# Altium PCB DIO-SMA.PCBDOC (part 2 of 2)
Units mil, origin at the board's own origin, x right, y up, seen from the top; angles counter-clockwise.
Board outline 2535.43 x 3937 mil, 4 copper layers (Top, MP(G), L3, Bot), stack 63.153 mil thick; 200 components, 123 nets, 682 pads, 394 vias.
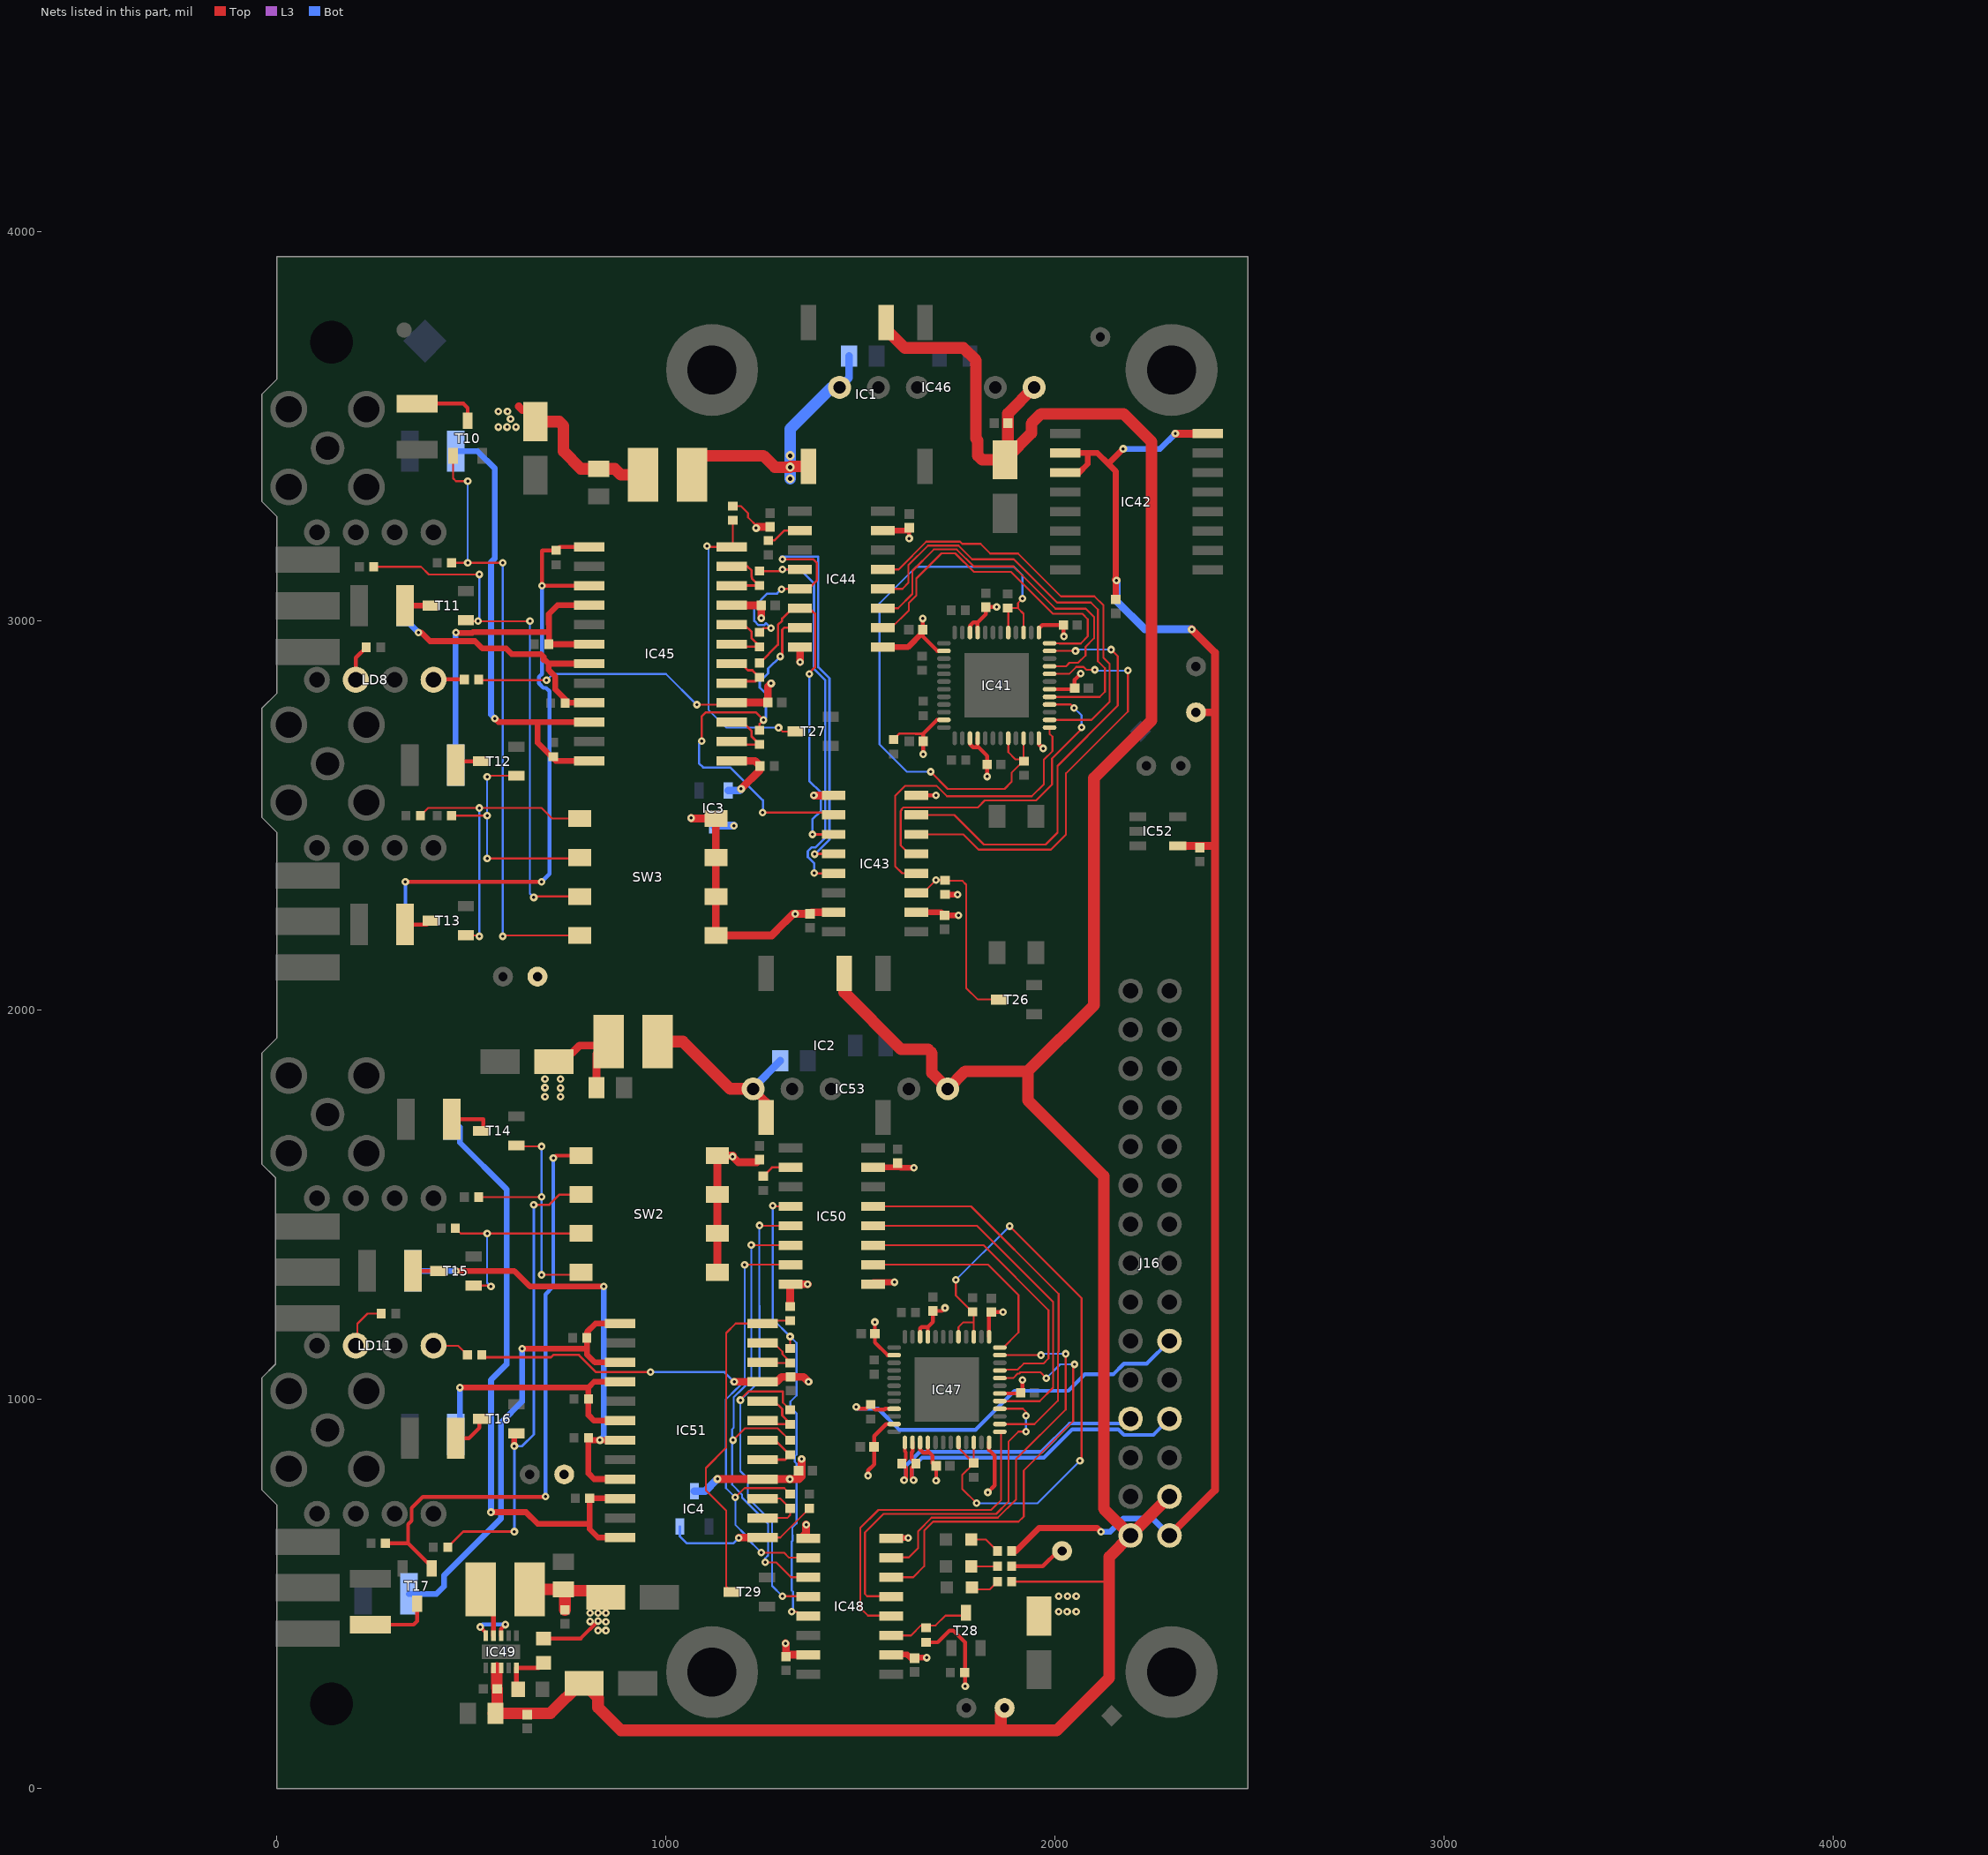
[diagram p4: the nets of this part, all layers, seen from the top]

## Via types
v1: diameter 19.68, hole 7.87, Top to Bot, tented both sides, 372 vias
v2: diameter 23.62, hole 11.81, Top to Bot, tented both sides, 21 vias
v3: diameter 19.68, hole 7.87, Top to Bot, 1 vias

## Nets (pads, with @x,y where several pads share a name; then routed paths per layer and width w, separated by ;. In a path a pad name is that pad's centre, name@x,y a point inside that pad or via, vN(x,y) a via of type N, cw(c..) or ccw(c..) an arc to the next point about the centre after c; other vN are vias at no path point) (continued)
LVDS6_P: IC47.9 J16.20 R230.1 | length 1034.8
  Top w10: v1(1489,980.84) 1493.84,976 1514,976 1524.5,986.5 1537.56,973.44 1561.11,973.44 1563.46,975.79 IC47.9@1586.17,975.79
  Bot w10: v1(1489,980.84) 1489,979 1492,976 1545.21,976 1599.21,922 1795.79,922 1895.79,1022 2034,1022 2076,1064 2149.32,1064 2176.81,1091.5 2235.5,1091.5 J16.20@2294,1150
LVDS7_N: IC47.14 J16.24 R234.2 | length 871.5
  Top w10: IC47.14@1633.42,889.17 1633.42,866.46 1631.07,864.11 1631.07,846.43 R234.2@1642.5,835 1631.5,824 1631.5,794 1633.5,792 v1(1636.34,792)
  Bot w10: v1(1636.34,792) 1631.5,796.84 1631.5,823.5 1658,850 1971,850 2044,923 2162.32,923 2176.81,908.51 2252.51,908.51 J16.24@2294,950
LVDS7_P: IC47.13 J16.23 R234.1 | length 777.8
  Top w10: v1(1611.66,792) 1614.5,792 1616.5,794 1616.5,824 R234.1@1605.5,835 1616.07,845.58 1616.07,864.11 1613.73,866.46 IC47.13@1613.73,889.17
  Bot w10: v1(1611.66,792) 1616.5,796.84 1616.5,829.71 1651.79,865 1964.79,865 2037.79,938 2182,938 J16.23@2194,950
NetC1_2: C1.2 C2.2 IC1.8 IC46.6 | length 746
  Top w30: C1.2@1066.93,3375.98 1066.93,3417.32 1074.8,3425.2 1250,3425.2 1279.53,3395.67 v2(1318.9,3395.67) 1320.87,3397.64 IC1.8@1365.75,3397.64
  Bot w20: IC46.6@1446,3601 1470.47,3625.47 C2.2@1470.47,3681.1
  Bot w30: v2(1318.9,3366.14) v2(1318.9,3395.67) v2(1318.9,3425.2) 1318.9,3494.09 1425.8,3601 IC46.6@1446,3601
NetC4_2: C4.2 C6.2 IC2.8 IC53.6 | length 484.1
  Top w20: IC53.6@1224,1798 1257.48,1764.52 IC2.8@1257.48,1724.41
  Top w30: C4.2@978.35,1919.29 1043.31,1919.29 1164.6,1798 IC53.6@1224,1798
  Bot w20: IC53.6@1224,1798 1224,1800.77 C6.2@1293.31,1870.08
NetIC3_2: IC3.2 IC45.13 R12.2 | length 192.3
  Top w20: IC45.13@1168.59,2640.84 1228.45,2640.84 R12.2@1241.34,2627.95 1241.34,2617.32 v1(1192.91,2568.9)
  Bot w20: IC3.2@1159.45,2564.96 1188.98,2564.96 v1(1192.91,2568.9)
NetIC4_2: IC4.2 IC51.13 R19.2 | length 402.8
  Top w5: IC51.13@1248.07,645 1293.43,645 R19.2@1368.11,719.69
  Top w20: v1(1187,644) 1188,645 IC51.13@1248.07,645
  Bot w6: IC4.2@1035.43,673.23 1035.43,647.64 1053.15,629.92 1172.92,629.92 v1(1187,644)
NetIC41_20: IC41.20 IC41.22 IC41.39 IC41.41 R198.1 R212.1 | length 1630.9
  Top w5: v1(1680,2613) 1724,2569 1870,2569 1888,2587 1888,2610 1918.5,2640.5 R212.1@1918.9,2640.5 ; IC41.20@1879.53,2699.17 1879.53,2663.47 1898,2645 1914.4,2645 R212.1@1918.9,2640.5 ; IC41.41@1879.53,2970.83 1879.53,3031.97 R198.1@1878,3033.5 1904.5,3033.5 ; v1(1916,3058) 1904.5,3046.5 1904.5,3033.5 ; IC41.22@1918.9,2699.17 R212.1@1918.9,2640.5 ; IC41.39@1918.9,2970.83 1918.9,3019.1 1904.5,3033.5 ; R212.1@1920,2640.5 R212.1@1918.9,2640.5
  Bot w5: v1(1680,2613) 1619,2613 1548.66,2683.34 1548.66,3045.66 1643,3140 1728.47,3140 1728.82,3139.66 1743.18,3139.66 1743.53,3140 1894,3140 1916,3118 v1(1916,3058)
NetIC41_25: IC41.25 IC43.12 | length 818.4
  Top w5: IC43.12@1643.3,2352 1607,2352 1589,2370 1589,2551 1615,2577 1618.47,2577 1618.82,2576.66 1633.18,2576.66 1633.53,2577 1695,2577 1722,2550 1940,2550 1971,2581 1971,2644 1993,2666 1993,2703 1985.83,2710.17 IC41.25@1985.83,2726.73 IC41.25@1986.34,2726.22
NetIC41_26: IC41.26 IC44.5 | length 1092.4
  Top w5: IC44.5@1556.87,3133.15 1597.72,3133.15 1668.91,3204.34 1755.61,3204.34 1761.13,3198.82 1808.18,3198.82 1833,3174 1905,3174 2015,3064 2101,3064 2124,3041 2124,2906 2140,2890 2140,2793 2093.42,2746.42 IC41.26@1985.83,2746.42
NetIC41_28: IC41.28 IC43.13 | length 859.5
  Top w5: IC43.13@1643.3,2402 1624.6,2402 1603,2423.6 1603,2512 1605.29,2514.29 1605.29,2516.92 1609.68,2521.31 1801.18,2521.31 1819.24,2539.37 1951.37,2539.37 1992,2580 1992,2647 2068,2723 v1(2068,2727) ; IC41.28@1985.83,2785.79 2040.21,2785.79 v1(2049,2777)
  Bot w5: v1(2049,2777) 2068,2758 v1(2068,2727)
NetIC41_29: IC41.29 IC44.4 | length 1060.3
  Top w5: IC44.4@1556.87,3083.15 1607.57,3083.15 1623.08,3098.65 1623.08,3144.37 1673.05,3194.34 1751.47,3194.34 1786.81,3159 1894,3159 2005,3048 2092,3048 2110,3030 2110,2897 2128,2879 2128,2819 2114.47,2805.47 IC41.29@1985.83,2805.47
NetIC41_32: IC41.32 IC43.14 | length 1116.3
  Top w5: IC43.14@1643.3,2452 1764,2452 1803,2413 1989,2413 2028,2452 2028,2609 2187,2768 v1(2187,2873) ; IC41.32@1985.83,2864.53 2036.53,2864.53 2054.34,2882.34 2073.18,2882.34 2080.53,2875 v1(2102,2875)
  Bot w5: v1(2102,2875) 2104,2873 v1(2187,2873)
NetIC41_33: IC41.33 IC44.3 | length 923.9
  Top w5: IC44.3@1556.87,3033.15 1596.14,3033.15 1633.08,3070.09 1633.08,3129.14 1688.28,3184.34 1747.33,3184.34 1790.67,3141 1892,3141 2001,3032 2079,3032 2100,3011 2100,2956 2078,2934 2078,2912 2059,2893 2037,2893 2028.21,2884.21 IC41.33@1985.83,2884.21
NetIC41_35: IC41.35 IC43.15 | length 1108.2
  Top w5: IC43.15@1643.3,2502 1741,2502 1817,2426 1975.59,2426 2006,2456.41 2006,2628 2161,2783 2161,2910 v1(2144,2927) ; IC41.35@1985.83,2923.58 v1(2052.58,2923.58)
  Bot w5: v1(2052.58,2923.58) 2056,2927 v1(2144,2927)
NetIC41_36: IC41.36 IC44.2 | length 867.5
  Top w5: IC44.2@1559.87,2980.15 IC44.2@1556.87,2983.15 1579.39,2983.15 1624.02,3027.77 1624.02,3046.88 1643.08,3065.94 1643.08,3109.61 1707.81,3174.34 1743.18,3174.34 1790.53,3127 1886,3127 1994,3019 2070,3019 2084,3005 2084,2961 2065.66,2942.66 2010.61,2942.66 2010,2943.27 IC41.36@1985.83,2943.27
NetIC43_2: IC43.2 IC44.15 R29.2 | length 1059
  Top w6: v1(1091.52,2691.84) 1091.52,2754.91 1102.36,2765.75 1230.62,2765.75 v1(1250.53,2745.84) 1240.16,2735.47 R29.2@1240.16,2719.98 ; v1(1248,2508) 1424.7,2508 IC43.2@1430.7,2502 ; v1(1293.57,2909.15) 1298.53,2914.1 1298.53,2978.1 1303.57,2983.15 IC44.15@1344.28,2983.15
  Bot w6: v1(1091.52,2691.84) 1084.68,2685 1084.68,2634.45 1095.13,2624 1164.37,2624 1249,2539.37 1249,2509 v1(1248,2508) ; v1(1250.53,2745.84) 1256.53,2751.84 1256.53,2813.61 1240.69,2829.45 1240.69,2844.23 1262.37,2865.92 1262.37,2877.94 v1(1293.57,2909.15)
NetIC43_3: IC43.3 IC44.14 R6.2 | length 893.7
  Top w6: R6.2@1240.16,2892.52 1240.94,2892.52 1287.53,2939.1 1287.53,2990.18 1298.09,3000.74 1298.09,3006.96 1324.28,3033.15 IC44.14@1344.28,3033.15 1368.66,3033.15 1382.79,3019.02 1382.79,2881.79 1368.11,2867.11 v1(1368.11,2864.17) ; v1(1376,2452) IC43.3@1430.7,2452
  L3 w6: v1@1365.1,2861.16 v1(1368.11,2864.17)
  Bot w6: v1(1368.11,2864.17) 1368.11,2589.13 1397.84,2559.39 1397.84,2512 1376,2490.16 v1(1376,2452)
NetIC43_4: IC43.4 IC44.13 R7.2 | length 1402.6
  Top w6: R7.2@1240.16,2971.26 1251.18,2982.28 v1(1269.69,2982.28) ; v1(1296.57,3082.15) 1297.57,3083.15 IC44.13@1344.28,3083.15 1366.04,3083.15 1387.8,3104.91 1387.8,3149.61 1377.95,3159.45 v1(1299.21,3159.44) ; v1(1382,2401) 1383,2402 IC43.4@1430.7,2402
  Bot w6: v1(1269.69,2982.28) 1256.94,2995.03 1251.92,2990 1237.14,2990 1226.69,3000.45 1226.69,3037.71 1259.84,3070.87 1285.29,3070.87 v1(1296.57,3082.15) v1@1300.42,3078.31 ; v1(1299.21,3159.44) 1299.21,3162.57 1295.85,3165.93 1391.16,3165.93 1391.16,2881.91 1419.84,2853.22 1419.84,2438.84 v1(1382,2401)
NetIC43_5: IC43.5 IC44.12 R9.2 | length 1039.2
  Top w6: R9.2@1240.16,3128.74 1294.8,3128.74 v1(1299.21,3133.15) IC44.12@1344.28,3133.15 ; v1(1381,2353) 1382,2352 IC43.5@1430.7,2352
  Bot w6: v1(1299.21,3133.15) 1344.28,3133.15 1380.16,3097.27 1380.16,2877.35 1408.84,2848.67 1408.84,2443.4 1384.29,2418.84 1374.61,2418.84 1364.16,2408.39 1364.16,2393.61 1381,2376.77 v1(1381,2353)
NetIC43_11: IC43.11 R196.1 T26.3 | length 516.9
  Top w5: IC43.11@1643.3,2302 1661,2302 v1(1693.5,2334.5) R196.1@1717,2334.5 1718.83,2332.68 1761.81,2332.68 1771.65,2322.83 1771.65,2057.09 1801.18,2027.56 T26.3@1855.72,2027.56
  Bot w5: v1@1687.74,2328.74 v1(1693.5,2334.5)
NetIC44_10: IC44.10 R17.2 | length 92.2
  Top w6: R17.2@1262.75,3207.48 1278.35,3207.48 1304.02,3233.15 IC44.10@1344.28,3233.15
NetIC45_1: IC45.1 IC45.3 R10.2 R209.2 | length 1585
  Top w10: v1(330,2330) v1(680,2330) ; IC45.3@802.45,3090.84 v1(680.84,3090.84) 680.84,3180.84 681.85,3181.85 R209.2@717.52,3181.85 726.51,3190.84 IC45.1@802.45,3190.84
  Bot w10: R10.2@329.06,2220.32 330,2221.26 v1(330,2330) ; v1(680,2330) 700.21,2350.21 700.21,2819.79 691.42,2828.58 684.69,2828.58 673.07,2840.21 673.07,2856.64 680.84,2864.42 v1(680.84,3090.84)
NetIC45_4: IC45.4 IC45.6 R8.2 R206.2 | length 878.6
  Top w15: v1(460,2971.1) 461.1,2970 501.72,2970 504.06,2972.34 697.17,2972.34 699.51,2970 ; IC45.6@802.45,2940.84 R206.2@698.52,2940.84 699.51,2941.83 699.51,2970 ; IC45.4@802.45,3040.84 720.84,3040.84 698.52,3018.52 698.52,2992.53 699.51,2991.54 699.51,2970
  Bot w15: R8.2@459.06,2630 v1@459.06,2971.1
NetIC45_7: IC45.7 IC45.9 R5.2 R203.2 | length 734.4
  Top w15: v1(363.23,2971.1) 370.49,2971.1 392.84,2948.76 508.76,2948.76 527.52,2930 588.5,2930 602.95,2915.55 677.61,2915.55 684.93,2908.22 684.93,2900.92 687.95,2900.92 698.02,2890.84 ; IC45.9@802.45,2790.84 749.16,2790.84 715.26,2824.74 715.26,2857.68 702.17,2870.77 701.96,2870.77 698.02,2874.71 698.02,2890.84 ; IC45.7@802.45,2890.84 698.02,2890.84
  Bot w15: R5.2@329.06,3040 329.06,3005.28 v1(363.23,2971.1)
NetIC45_10: IC45.10 IC45.12 R4.2 R200.2 | length 1221.5
  Top w15: v1(560,2750) 569.16,2740.84 670,2740.84 ; IC45.12@802.45,2640.84 716.36,2640.84 670,2687.2 670,2740.84 ; IC45.10@802.45,2740.84 670,2740.84
  Bot w15: R4.2@459.06,3437.01 515.12,3437.01 560,3392.13 560,3161.6 550,3151.6 550,2760 v1(560,2750)
NetIC45_14: IC45.14 IC45.15 R29.1 | length 178.5
  Top w6: IC45.14@1168.59,2690.84 1176.46,2682.97 R29.1@1240.16,2682.97 1219.95,2703.17 1219.95,2717.06 1196.17,2740.84 IC45.15@1168.59,2740.84
NetIC45_17: IC45.17 IC45.18 R6.1 | length 163.8
  Top w6: IC45.17@1168.59,2840.84 1173.42,2845.67 1230.31,2845.67 R6.1@1240.16,2855.51 1221.65,2874.02 1210.63,2874.02 1193.8,2890.84 IC45.18@1168.59,2890.84
NetIC45_19: IC45.19 IC45.20 R7.1 | length 179.7
  Top w6: IC45.19@1168.59,2940.84 1175.18,2934.25 R7.1@1240.16,2934.25 1240.16,2935.8 1219.95,2956.01 1219.95,2972.26 1201.37,2990.84 IC45.20@1168.59,2990.84
NetIC45_22: IC45.22 IC45.23 R9.1 | length 171.9
  Top w6: IC45.23@1168.59,3140.84 1209.03,3140.84 1219.95,3129.92 1219.95,3113.49 1220.47,3112.97 1220.47,3110.24 R9.1@1238.98,3091.73 ; IC45.22@1176.37,3083.06 1180.59,3087.29 1180.59,3091.73 R9.1@1238.98,3091.73 ; R9.1@1240.16,3091.73 R9.1@1238.98,3091.73
NetIC45_24: IC45.24 R210.1 T27.3 | length 802
  Top w5: v1(1105.52,3192.84) 1107.52,3190.84 IC45.24@1168.59,3190.84 1171.26,3193.51 R210.1@1171.26,3259.06 ; v1(1289.37,2726.38) 1299.21,2716.54 T27.3@1332.68,2716.54
  Bot w5: v1(1105.52,3192.84) 1108.86,3189.5 1108.86,2772.33 1154.81,2726.38 v1(1289.37,2726.38)
NetIC47_20: IC47.20 IC47.22 IC47.39 IC47.41 R221.1 R235.1 | length 1673.6
  Top w5: v1(1745,1307) 1745,1267 1787.5,1224.5 R235.1@1788,1224.5 1790.9,1221.6 1790.9,1198 ; IC47.20@1751.53,889.17 1751.53,875.47 1790.9,836.1 IC47.22@1790.9,889.17 ; IC47.41@1751.53,1160.83 1751.53,1185.53 1764,1198 1790.9,1198 ; R221.1@1790,834.5 1761,805.5 1761,770 v1(1798,733) ; IC47.39@1790.9,1160.83 1790.9,1198 ; v1(1883,1445) 2068,1260 2068,846 v1(2064,842)
  Bot w5: v1(1745,1307) v1(1883,1445) ; v1(1798,733) 1955,733 v1(2064,842)
NetIC47_25: IC47.25 IC48.12 | length 843.7
  Top w5: IC48.12@1560.3,444 1519,444 1499,464 1499,669 1545.66,715.66 1835.66,715.66 1861.34,741.34 1861.34,913.22 IC47.25@1857.83,916.73
NetIC47_26: IC47.26 IC50.5 | length 1019.3
  Top w5: IC50.5@1532.3,1496 1784,1496 2009,1271 2009,1122.69 2007.07,1120.77 2007.07,996.55 1946.94,936.42 IC47.26@1857.83,936.42
NetIC47_28: IC47.28 IC48.13 | length 942.6
  Top w5: IC48.13@1560.3,494 1517,494 1511,500 1511,658 1558.66,705.66 1848.66,705.66 1880,737 1880,891 1906,917 v1(1925,917) ; IC47.28@1857.83,975.79 1917,975.79 1925,967.79 v1(1925,958)
  Bot w5: v1(1925,917) v1(1925,958)
NetIC47_29: IC47.29 IC50.4 | length 915.3
  Top w5: IC50.4@1532.3,1446 1799,1446 1994.87,1250.13 1994.87,1029.87 1960.47,995.47 IC47.29@1857.83,995.47
NetIC47_32: IC47.32 IC48.14 | length 1142
  Top w5: IC48.14@1560.3,544 IC48.14@1578.3,544 ; IC48.14@1578.3,543 1635.52,543 1663.39,570.87 1663.39,662.65 1686.39,685.66 1906.13,685.66 1919.29,698.82 1919.29,816.93 2046.66,944.3 2046.66,1086.66 v1(2050,1090) ; IC47.32@1857.83,1054.53 1892,1054.53 1903.82,1066.34 1907.82,1066.34 1911.1,1069.63 1962.43,1069.63 v1(1977.53,1054.53)
  Bot w5: v1(1977.53,1054.53) 2013,1090 v1(2050,1090)
NetIC47_33: IC47.33 IC50.3 | length 781.8
  Top w5: IC50.3@1532.3,1396 1816,1396 1983,1229 1983,1105 1970,1092 1919.33,1092 1903.67,1076.34 1859.96,1076.34 IC47.33@1857.83,1074.21
NetIC47_35: IC47.35 IC48.15 | length 1024.1
  Top w5: IC48.15@1560.3,594 1624.02,594 1648.11,618.09 1648.11,661.52 1682.25,695.66 1852.8,695.66 1899.61,742.46 1899.61,846.46 2027,973.85 v1(2027,1117) ; IC47.35@1857.83,1113.58 v1(1963.58,1113.58)
  Bot w5: v1(1963.58,1113.58) 1967,1117 v1(2027,1117)
NetIC47_36: IC47.36 IC50.2 | length 558.6
  Top w5: IC50.2@1532.3,1346 1828,1346 1906,1268 1906,1172 IC47.36@1866,1132
NetIC48_2: IC48.2 IC50.15 R14.2 | length 1198.6
  Top w5: v1(1178,748) 1201.83,771.83 1303.76,771.83 R14.2@1318.9,756.69 ; v1(1202,1346) IC50.15@1319.7,1346 ; v1(1245,606) 1303,606 1316,593 IC48.2@1365.7,593
  Bot w5: v1(1202,1346) 1202,1047.25 1182.25,1027.5 1181.83,1027.5 1154,999.67 1154,772 v1(1178,748) 1178,677.53 1204.34,651.18 1204.34,646.66 v1(1245,606)
NetIC48_3: IC48.3 IC50.14 R15.2 | length 1278.1
  Top w5: v1(1172,895) 1202.2,925.2 1287.4,925.2 1318.11,894.49 R15.2@1318.9,894.49 ; v1(1219,1397) 1220,1396 IC50.14@1319.7,1396 ; v1(1255,581) 1283,581 1321,543 IC48.3@1365.7,543
  Bot w5: v1(1219,1397) 1219.34,1396.66 1219.34,1050.45 1186.39,1017.5 1185.97,1017.5 1173.66,1005.18 1173.66,927 1169.66,923 1169.66,780.87 1195.34,755.18 1195.34,747.66 1262.34,680.66 1262.34,598.82 1255,591.47 v1(1255,581)
NetIC48_4: IC48.4 IC50.13 R16.2 | length 1339.7
  Top w5: v1(1191,998) 1191,999.72 1211.28,1020 1300.3,1020 1300.3,991.83 R16.2@1318.9,973.23 ; v1(1240,1447) 1241,1446 IC50.13@1319.7,1446 ; v1(1299,494) 1364.7,494 IC48.4@1365.7,493
  Bot w5: v1(1240,1447) 1239.31,1446.31 1239.31,1240.85 1240,1240.16 1240,1047 v1(1191,998) 1191,815.53 1210,796.53 1210,747.14 1272.34,684.8 1272.34,520.66 v1(1299,494)
NetIC48_5: IC48.5 IC50.12 R21.2 | length 1218.6
  Top w5: v1(1274,1498) 1276,1496 IC50.12@1319.7,1496 ; R21.2@1318.9,1130.71 v1(1318.9,1161.42) ; v1(1323,454) 1337,454 1348,443 IC48.5@1365.7,443
  Bot w5: v1(1274,1498) 1274,1206.31 v1(1318.9,1161.42) 1335.34,1144.97 1335.34,1009.87 1319.66,994.18 1319.66,979.82 1335.34,964.13 1335.34,857.9 1331.08,853.64 1331.08,839.27 1335.34,835.01 1335.34,681.3 1324.94,670.89 1324.94,651.58 1325.34,651.18 1325.34,636.82 1323,634.47 1323,508.67 1326.34,505.33 1326.34,457.34 v1(1323,454)
NetIC48_11: IC48.11 R218.1 T28.3 | length 239.9
  Top w5: IC48.11@1560.3,394 IC48.11@1578.3,394 ; IC48.11@1578.3,393 1629.5,393 1655.42,418.91 1692.91,418.91 1718.28,444.28 1774,444.28 T28.3@1770.5,447.77
NetIC49_5: IC49.5 R231.1 R237.2 | length 131.3
  Top w12: R237.2@619.5,255 615.37,259.13 IC49.5@615.37,309.66 672.16,309.66 R231.1@685,322.5
NetIC49_9: IC49.9 L17.1 | length 57.7
  Top w13: IC49.9@556.31,392.34 L17.1@556.31,450
NetIC50_10: IC50.10 R23.2 | length 79
  Top w6: R23.2@1250,1573.62 1272.38,1596 IC50.10@1319.7,1596
NetIC51_1: IC51.1 IC51.3 R22.2 R233.2 | length 1204.4
  Top w15: v1(630,1130) 796.5,1130 ; IC51.3@881.93,1095 816.92,1095 796.5,1115.42 796.5,1130 ; IC51.1@881.93,1195 818.89,1195 796.5,1172.61 R233.2@796.5,1158 796.5,1130
  Bot w15: R22.2@339.05,500 410,500 428.9,518.9 428.9,547.01 575.91,694.02 575.91,940.31 630,994.41 v1(630,1130)
NetIC51_4: IC51.4 IC51.6 R20.2 R229.2 | length 685.6
  Top w15: v1(470,1030) 470.5,1030.5 800.5,1030.5 ; IC51.6@881.93,945 815,945 800.5,959.5 R229.2@800.5,1001 800.5,1030.5 ; IC51.4@881.93,1045 815,1045 800.5,1030.5
  Bot w15: R20.2@470,920.94 v1(470,1030)
NetIC51_7: IC51.7 IC51.9 R13.2 R226.2 | length 1169.5
  Top w15: v1(460,1330) 610,1330 650,1290 v1(840,1290) ; IC51.9@881.93,795 815,795 800.5,809.5 R226.2@800.5,901 806.5,895 v1(830,895) IC51.7@881.93,895
  Bot w15: R13.2@349.05,1330 v1(460,1330) ; v1(830,895) 840,905 v1(840,1290)
NetIC51_10: IC51.10 IC51.12 R11.2 R222.2 | length 1596.6
  Top w15: v1(550,710) 640,710 670,680 803.5,680 ; IC51.12@881.93,645 825,645 803.5,666.5 803.5,680 ; IC51.10@881.93,745 880.93,746 R222.2@803.5,746 803.5,680
  Bot w15: R11.2@449.06,1720 470,1699.06 470,1660 590,1540 590,1090 550,1050 v1(550,710)
NetIC51_14: IC51.14 IC51.15 R14.1 | length 172.5
  Top w5: IC51.14@1248.07,695 1311.54,695 1318.9,702.36 R14.1@1318.9,719.69 1293.58,745 IC51.15@1248.07,745
NetIC51_17: IC51.17 IC51.18 R15.1 | length 162.4
  Top w6: IC51.17@1248.07,845 1306.42,845 R15.1@1318.9,857.48 1317.72,857.48 1280.2,895 IC51.18@1248.07,895
NetIC51_19: IC51.19 IC51.20 R16.1 | length 180.5
  Top w6: IC51.19@1248.07,945 1256.85,936.22 R16.1@1318.9,936.22 1318.9,938.29 1298.69,958.5 1298.69,974.93 1278.62,995 IC51.20@1248.07,995
NetIC51_22: IC51.22 IC51.23 R21.1 | length 168.5
  Top w5: IC51.22@1248.07,1095 1249.37,1093.7 R21.1@1318.9,1093.7 1318.9,1096.46 1299.19,1116.16 1299.19,1122.07 1276.26,1145 IC51.23@1248.07,1145
NetIC51_24: IC51.24 R236.1 T29.3 | length 892
  Top w5: T29.3@1168.72,505 1154.66,519.07 1154.66,713.85 1102.36,766.14 1102.36,823.69 1154.66,875.98 1154.66,1170.66 1179,1195 IC51.24@1248.07,1195 1255.04,1201.97 R236.1@1318.9,1201.97
NetLD1_2: LD1.2 R1.1 | length 75.3
  Top w5: LD1.2@1784.45,511.81 1831.89,511.81 R1.1@1851.57,531.5
NetLD2_2: LD2.2 R2.2 | length 67.1
  Top w5: LD2.2@1784.45,570.87 R2.2@1851.57,570.87
NetLD3_2: LD3.2 R3.2 | length 79.4
  Top w5: LD3.2@1784.45,639.76 1822.05,639.76 R3.2@1851.57,610.24
NetLD8_2: LD8.2 R194.2 | length 94.9
  Top w10: LD8.2@202.36,2849.41 202.36,2905.91 R194.2@229.53,2933.07
NetLD8_4: LD8.4 R195.2 | length 79.5
  Top w10: LD8.4@402.36,2849.41 403.35,2850.39 R195.2@481.5,2850.39
NetLD11_2: LD11.2 R217.2 | length 128.9
  Top w5: LD11.2@206.3,1137.8 206.3,1194.49 232.28,1220.47 R217.2@267.72,1220.47
NetLD11_4: LD11.4 R220.2 | length 92.9
  Top w5: LD11.4@406.3,1137.8 465.75,1137.8 R220.2@489.37,1114.17
NetR199_1: R199.1 T10.3 | length 167.4
  Top w10: R199.1@360,3559.06 479.06,3559.06 490,3548.11 T10.3@490,3515.28
NetR202_1: R202.1 T11.3 | length 65.7
  Top w15: R202.1@329.06,3040 T11.3@394.72,3040
NetR205_1: R205.1 T12.3 | length 69.8
  Top w10: R205.1@459.06,2630 469.06,2640 T12.3@524.72,2640
NetR208_1: R208.1 T13.3 | length 69.7
  Top w10: R208.1@329.06,2220.32 385.04,2220.32 T13.3@394.72,2230
NetR223_1: R223.1 T14.3 | length 113.1
  Top w10: R223.1@449.06,1720 530,1720 530,1695.27 T14.3@524.72,1690
NetR225_1: R225.1 T15.3 | length 65.7
  Top w10: R225.1@349.05,1329.99 T15.3@414.72,1330
NetR228_1: R228.1 T16.3 | length 97.2
  Top w10: R228.1@459.06,900 493.23,900 520,926.77 520,945.28 T16.3@524.72,950
NetR232_1: R232.1 T17.3 | length 168.5
  Top w10: R232.1@240,420.94 350.94,420.94 360,430 T17.3@360,474.72
P3V3: B7.1 C171.2 C172.2 C173.2 C174.2 C175.2 C176.2 C177.2 C178.2 C179.1 C180.2 C181.2 C182.2 C183.2 C184.2 C185.2 C186.2 C187.2 C188.1 C189.2 C190.2 IC41.2 IC41.11 IC41.15 IC41.16 IC41.24 IC41.30 IC41.37 IC41.45 IC41.46 IC43.10 IC43.16 IC44.1 IC44.7 IC47.2 IC47.11 IC47.15 IC47.16 IC47.24 IC47.30 IC47.37 IC47.45 IC47.46 IC48.10 IC48.16 IC49.8 IC49.10 IC50.1 IC50.7 L17.2 R2.1 R196.2 R197.2 R218.2 R219.2 R231.2 | length 3391.4
  Top w6: R197.2@1584.65,2695.67 1600.18,2711.2 1640.8,2711.2 1641.29,2710.72 1660.72,2710.72